# Altium PCB Module Board - OLD.PcbDoc (part 3 of 4)
Units mm, origin at the board's own origin, x right, y up, seen from the top; angles counter-clockwise.
Board outline 88 x 88 mm, 4 copper layers (Top Layer, GND1-Layer, GND2-Layer, Bottom Layer), stack 1.57 mm thick; 408 components, 212 nets, 1020 pads, 603 vias.
Unrouted connection lines stored in the file: 3.
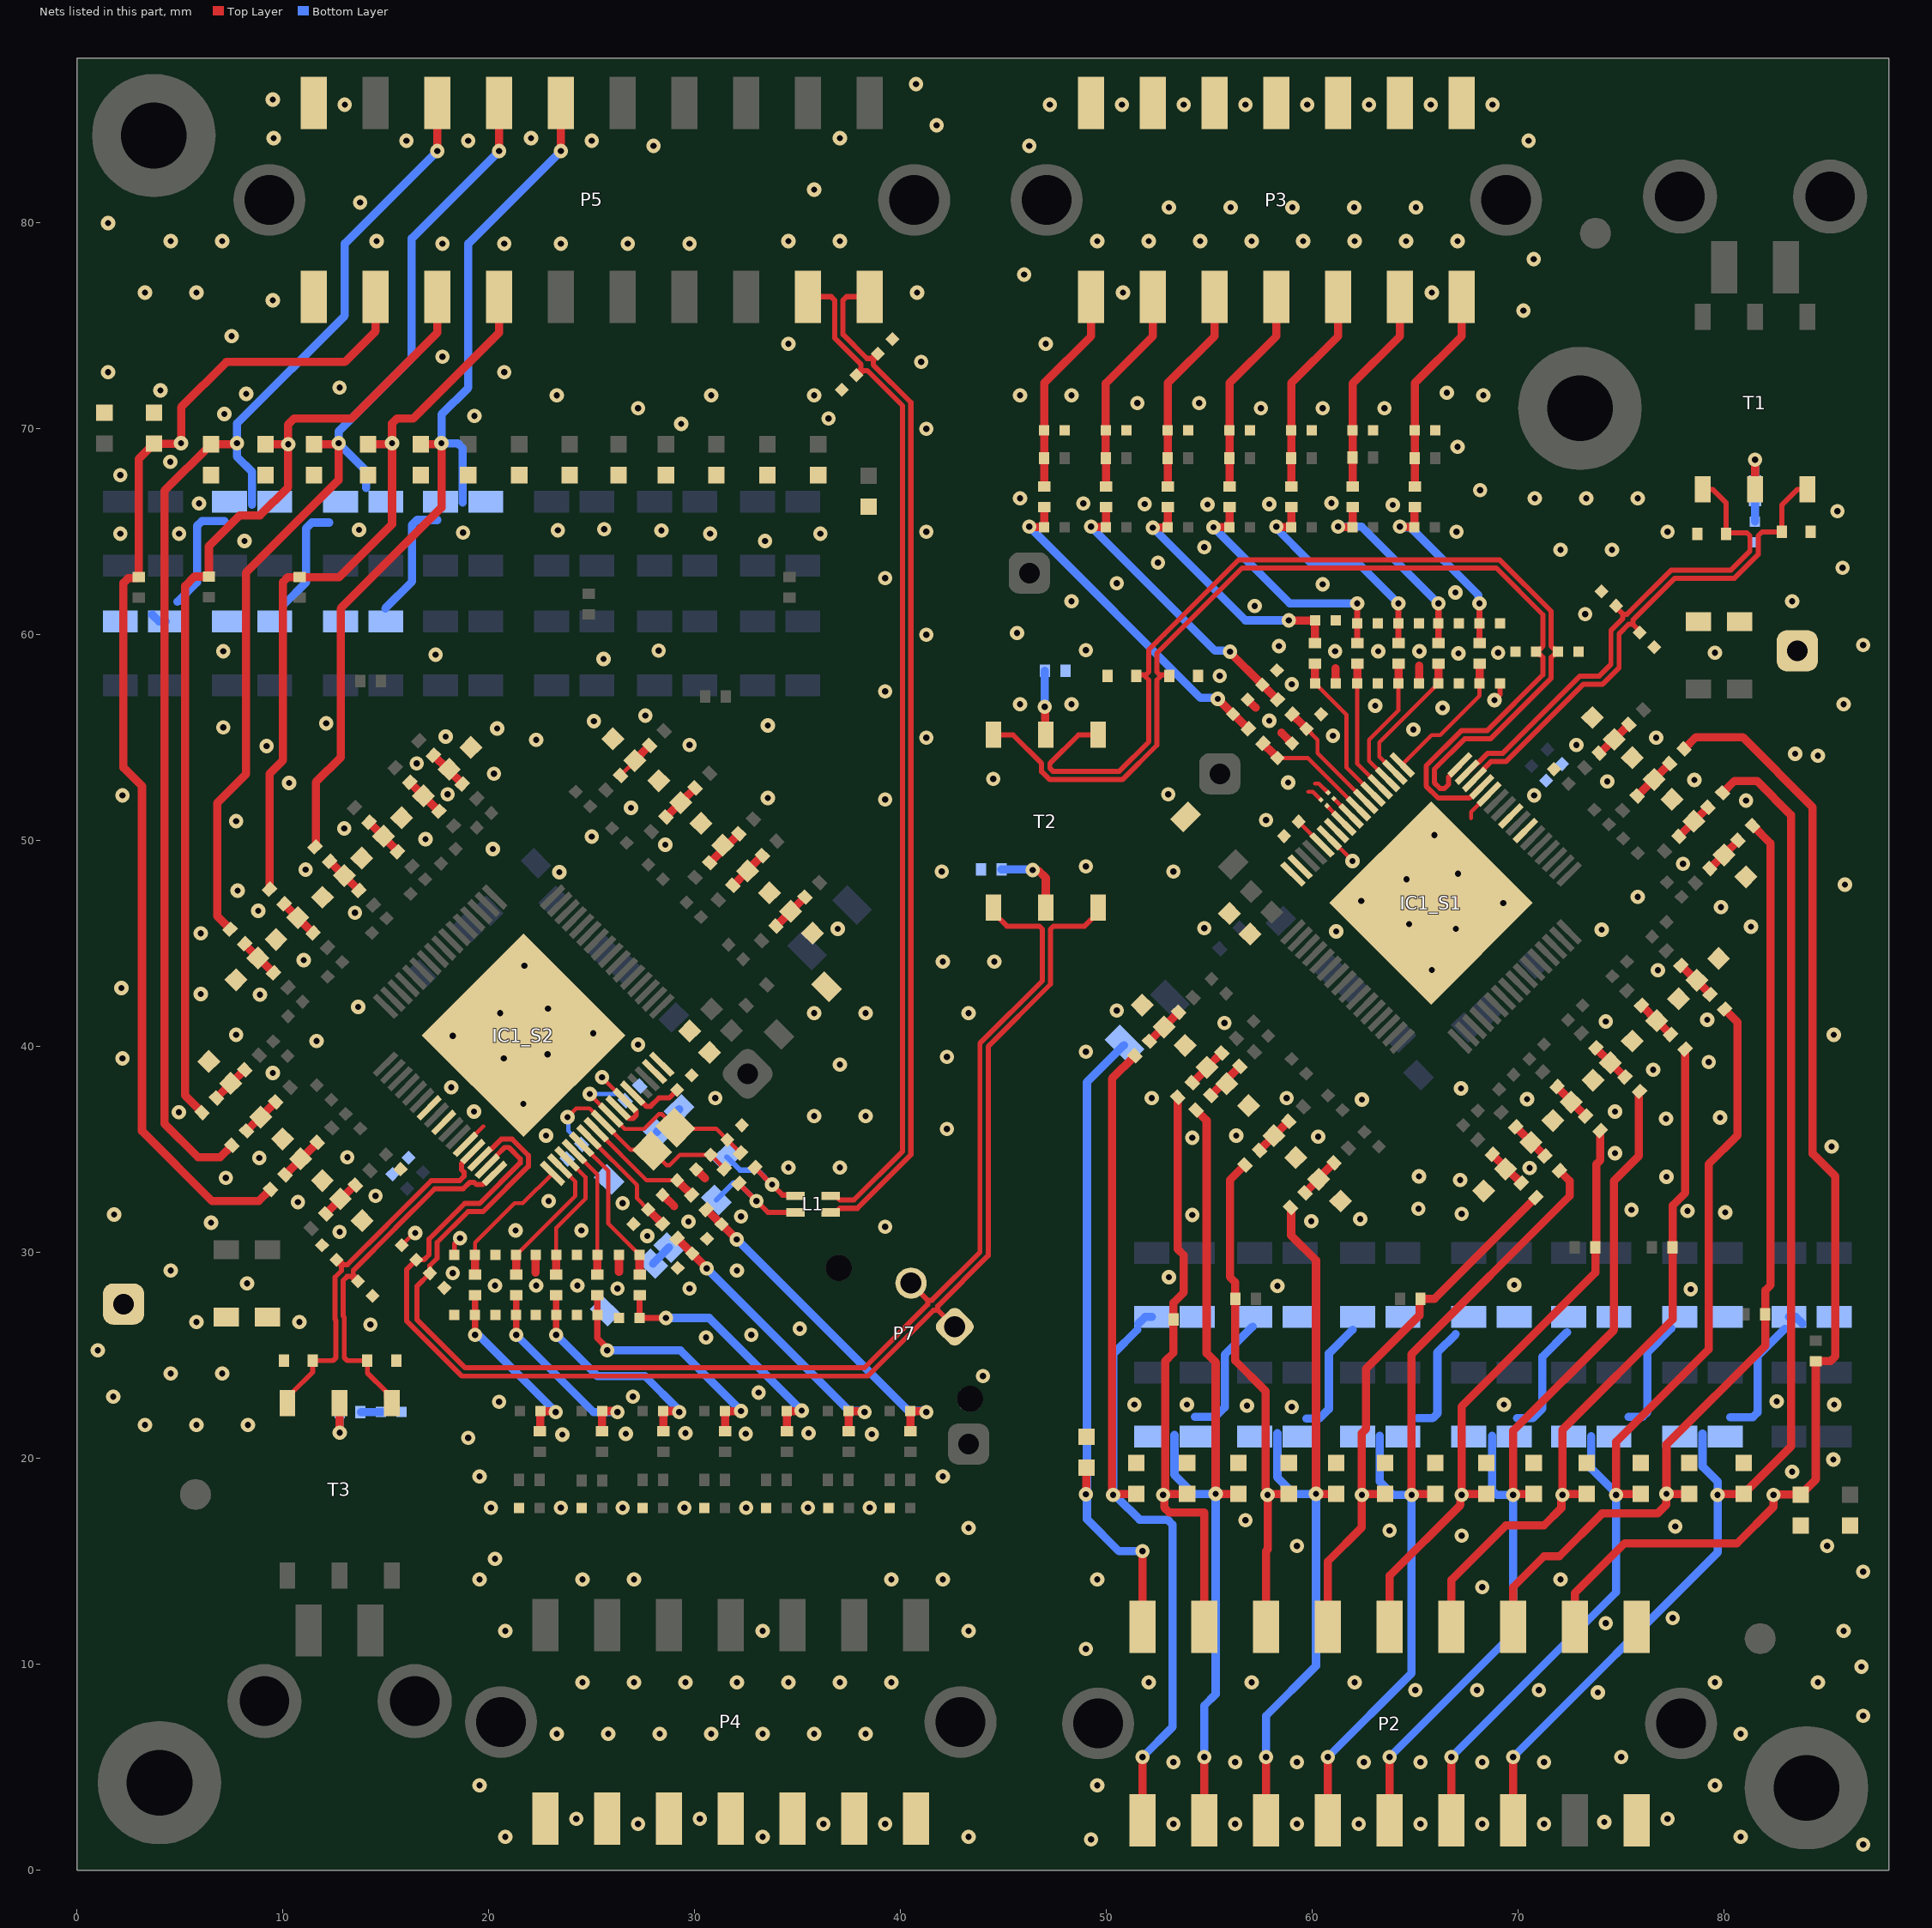
[diagram p5: the nets of this part, all layers, seen from the top]

## Via types
v1: diameter 0.7, hole 0.3, Top Layer to Bottom Layer, 603 vias

## Nets (pads, with @x,y where several pads share a name; then routed paths per layer and width w, separated by ;. In a path a pad name is that pad's centre, name@x,y a point inside that pad or via, vN(x,y) a via of type N, cw(c..) or ccw(c..) an arc to the next point about the centre after c; other vN are vias at no path point) (continued)
GND_S1: C2_S1.1 C3_S1.1 C5_S1.1 C6_S1.1 C7_S1.1 C8_S1.1 C9_S1.1 C12_S1.1 C13_S1.1 C14_S1.1 C15_S1.1 C17_S1.1 C18_S1.1 C19_S1.1 C20_S1.1 C21_S1.1 C22_S1.1 C23_S1.1 C24_S1.1 C27_S1.1 C28_S1.1 C30_S1.1 C31_S1.1 C32_S1.1 C33_S1.1 C34_S1.1 C37_S1.1 C38_S1.1 C40_S1.1 C41_S1.1 C42_S1.1 C43_S1.1 C44_S1.1 C47_S1.1 C48_S1.1 C50_S1.1 C51_S1.1 C52_S1.1 C53_S1.1 C54_S1.1 C57_S1.1 C58_S1.1 C60_S1.1 C61_S1.1 C62_S1.1 C63_S1.1 C64_S1.1 C67_S1.1 C68_S1.1 C70_S1.1 C71_S1.1 C72_S1.1 C73_S1.1 C74_S1.1 C76_S1.1 C77_S1.1 C78_S1.1 C80.1 C81.1 C82.1 C83.2 C84.1 C95_S1.1 D2_S1.2 D7_S1.1 D8_S1.2 D9.1 D10.1 D17.1 D18.2 IC1_S1.39 IC1_S1.41 IC1_S1.44 IC1_S1.58 IC1_S1.59 IC1_S1.63 IC1_S1.64 IC1_S1.65 NT1.2 NT2.2 P2.1 P2.10 P3.1 P3.2 P3.3 P3.4 P3.5 P3.6 P3.7 R75.2 TP1_S1.1 | length 8.5
  Top Layer w0.2: 59.8,52.375 60.025,52.375 NT2.2@60.417,51.983 ; 60.125,52.775 60.313,52.775 NT1.2@60.76,52.328 ; IC1_S1.59@60.821,50.146 v1(61.95,49.017) ; 67.705,51.1 67.705,51.39 IC1_S1.44@68.582,52.267
  Top Layer w0.247: v1(68.85,56.825) 69.121,57.096 C7_S1.1@69.121,57.646
  Top Layer w0.4: C71_S1.1@56.854,56.853 57.25,56.457 ; 58.5,55.25 58.5,55.236 C72_S1.1@59.011,54.725 ; C52_S1.1@61.129,57.648 61.129,58.379 ; C32_S1.1@65.181,57.646 65.181,58.5
  other v1: 86.75,1.25 49.25,1.5 80.8,1.625 53.25,2.25 56.25,2.25 59.25,2.25 62.25,2.25 65.25,2.25 68.25,2.25 71.25,2.25 74.184,2.34 77.25,2.5 49.55,4.125 79.55,4.125 53.25,5.25 56.25,5.25 59.25,5.25 62.5,5.25 65.25,5.25 68.25,5.25 71.25,5.25 75,5.5 80.8,6.625 86.75,7.5 73.87,8.63 65,8.75 68,8.75 71,8.75 52.05,9.125 57.05,9.125 62.05,9.125 79.55,9.125 84.55,9.125 86.672,9.887 49,10.75 85.8,11.625 74.25,12 77.5,12.25 68.25,13.75 49.55,14.125 72.05,14.125 86.75,14.5 59.25,15.75 85,15.75 67.25,16.25 63.75,16.5 77.625,16.7 56.75,17 83.3,19.35 85.3,19.95 59,22.5 56.824,22.566 51.35,22.614 53.9,22.614 69.3,22.614 85.35,22.614 82.55,22.775 78.375,28.225 58.3,28.377 69.8,28.425 53.025,28.8 59.95,31.525 62.325,31.625 54.162,31.825 67.25,31.875 80.051,31.95 78.225,32.025 75.5,32.075 65.15,32.125 67.175,33.525 77.2,33.675 65.175,33.7 70.55,34.106 74.7,34.825 85.225,35.15 54.162,35.575 60.275,35.625 56.3,35.675 77.175,36.5 79.8,36.55 74.7,36.85 62.4,37.425 70.425,37.45 52.2,37.5 58.75,37.5 67.225,37.975 76.55,38.875 79.25,39.25 49,39.75 85.325,40.575 55.725,41.15 74.25,41.225 79.182,41.307 50.5,41.75 65.8,43.725 76.782,43.707 61.15,45.6 74.05,45.675 66.975,45.725 54.75,45.75 81.3,45.825 64.7,45.95 79.85,46.775 69.275,46.975 62.375,47.075 75.8,47.275 85.87,47.87 64.575,48.125 67.075,48.4 53.25,48.5 78,48.875 65.925,50.275 57.75,51 81.063,51.95 70.775,52.2 53,52.25 58.825,52.825 74.325,52.875 78.55,52.95 44.5,53 84.55,54.125 83.45,54.225 72.825,54.65 76.7,55 61,55.1 64.9,55.4 57.9,55.825 66.325,56.45 63.05,56.55 45.8,56.625 48.3,56.625 85.8,56.625 59,57.6 55.5,58 67.1,59.1 69.025,59.125 79.55,59.125 61.1,59.2 63.2,59.2 65.2,59.2 49,59.25 58.375,59.45 86.75,59.5 45.654,60.086 73.25,61 57.2,61.4 48.3,61.625 83.3,61.625 66.95,62.05 60.5,62.45 50.5,62.5 85.75,63.25 52.5,63.5 72.05,64.125 74.55,64.125 54.75,64.25 67,65 77.25,65 85.5,66 63.9,66.3 54.9,66.325 51.85,66.35 57.9,66.35 48.875,66.375 60.925,66.4 45.8,66.625 70.8,66.625 73.3,66.625 75.8,66.625 68.15,67.025 67.05,69.125 57.5,71 60.5,71 63.5,71 51.5,71.25 54.5,71.25 45.8,71.625 48.3,71.625 68.3,71.625 66.526,71.751 47.05,74.125 70.25,75.75 50.8,76.625 65.8,76.625 46,77.5 70.75,78.25 49.55,79.125 52.05,79.125 54.55,79.125 57.05,79.125 59.55,79.125 62.05,79.125 64.55,79.125 67.05,79.125 53.026,80.751 56.026,80.751 59.026,80.751 62.026,80.751 65.026,80.751 46.25,83.75 70.5,84 47.25,85.75 50.75,85.75 53.75,85.75 56.75,85.75 59.75,85.75 62.75,85.75 65.75,85.75 68.75,85.75
GND_S2: C2_S2.1 C3_S2.1 C5_S2.1 C6_S2.1 C7_S2.1 C8_S2.1 C9_S2.1 C12_S2.1 C13_S2.1 C14_S2.1 C15_S2.1 C17_S2.1 C18_S2.1 C19_S2.1 C20_S2.1 C21_S2.1 C22_S2.1 C23_S2.1 C24_S2.1 C27_S2.1 C28_S2.1 C30_S2.1 C31_S2.1 C32_S2.1 C33_S2.1 C34_S2.1 C37_S2.1 C38_S2.1 C40_S2.1 C41_S2.1 C42_S2.1 C43_S2.1 C44_S2.1 C47_S2.1 C48_S2.1 C50_S2.1 C51_S2.1 C52_S2.1 C53_S2.1 C54_S2.1 C57_S2.1 C58_S2.1 C60_S2.1 C61_S2.1 C62_S2.1 C63_S2.1 C64_S2.1 C67_S2.1 C68_S2.1 C70_S2.1 C71_S2.1 C72_S2.1 C73_S2.1 C74_S2.1 C76_S2.1 C77_S2.1 C78_S2.1 C85.1 C86.1 C87.1 C88.1 C90.1 C91.1 C92.1 C93.1 C94.1 C95_S2.1 D2_S2.2 D7_S2.1 D8_S2.2 D12.1 D14.1 D15.1 D16.1 IC1_S2.39 IC1_S2.41 IC1_S2.44 IC1_S2.58 IC1_S2.59 IC1_S2.63 IC1_S2.64 IC1_S2.65 P4.1 P4.2 P4.3 P4.4 P4.5 P4.6 P4.7 P5.1 P5.11 R77.1 R94.1 R95.1 TP1_S2.1 | length 9.8
  Top Layer w0.2: C85.1@15.772,30.354 16.368,30.95 v1(16.425,30.95) ; IC1_S2.44@18.868,35.258 19.735,36.125 ; v1(25.5,38.508) IC1_S2.59@26.629,37.379
  Top Layer w0.247: C7_S2.1@18.329,29.879 18.329,30.429 v1(18.6,30.7)
  Top Layer w0.25: IC1_S2.58@26.275,37.026 26.797,36.504 27.004,36.504 27.151,36.651 27.151,36.858 IC1_S2.59@26.629,37.379
  Top Layer w0.4: 22.269,29.019 C32_S2.1@22.269,29.879 ; 26.321,29.071 C52_S2.1@26.321,29.877 ; C72_S2.1@28.439,32.8 28.616,32.623 28.627,32.623 29,32.25 ; C88.1@30.067,34.036 30.5,33.603
  other v1: 20.8,1.625 33.3,1.625 43.3,1.625 27.25,2.25 36.25,2.25 39.25,2.25 24.25,2.5 30.25,2.5 19.55,4.125 23.3,6.625 25.8,6.625 28.3,6.625 30.8,6.625 33.3,6.625 35.8,6.625 38.3,6.625 24.55,9.125 27.05,9.125 29.55,9.125 32.05,9.125 34.55,9.125 37.05,9.125 39.55,9.125 20.8,11.625 33.3,11.625 43.3,11.625 19.55,14.125 24.55,14.125 27.05,14.125 39.55,14.125 42.05,14.125 20.3,15.125 43.3,16.625 20.1,17.6 23.5,17.6 26.5,17.6 29.5,17.6 32.5,17.6 35.5,17.6 38.5,17.6 19.55,19.125 42.05,19.125 19,21 23.575,21.15 26.65,21.2 32.475,21.2 38.6,21.175 29.55,21.225 35.525,21.225 3.3,21.625 5.8,21.625 8.3,21.625 20.5,22.75 1.75,23 27,23 33.1,23.2 44,24 4.55,24.125 7.05,24.125 1,25.25 30.55,25.875 32.75,26 35.1,26.3 14.25,26.5 5.8,26.625 10.8,26.625 26.25,28.25 29.75,28.25 20.3,28.4 22.3,28.4 24.3,28.4 8.25,28.5 18.25,29 4.55,29.125 32.05,29.125 27.7,30.8 12.75,31 21.3,31.075 24.5,31.075 39.25,31.25 6.5,31.45 29.7,31.5 32.25,31.75 1.8,31.85 26.5,32.4 10.725,32.45 22.9,32.5 14.5,32.75 7.225,33.625 34.55,34.125 37.05,34.125 8.85,34.6 13.125,34.625 22.775,35.675 42.25,36 35.8,36.625 38.3,36.625 4.943,36.818 19.275,36.85 21.675,37.225 31,37.5 18.175,38.025 9.5,38.725 37.05,39.125 2.2,39.425 20.725,39.425 42.25,39.5 22.85,39.625 27.25,40.1 11.625,40.275 18.25,40.525 7.725,40.575 25.075,40.65 20.55,41.625 35.8,41.625 38.3,41.625 43.3,41.625 22.875,41.85 13.65,41.925 8.875,42.525 6,42.55 2.15,42.85 21.725,43.925 42.05,44.125 44.55,44.125 11,44.2 6,45.5 36.95,45.725 13.5,46.5 8.8,46.6 7.8,47.575 23.425,48.475 42,48.5 11.098,48.598 49,48.75 20.2,49.6 28.575,49.8 16.925,50.075 25,50.2 12.975,50.6 7.725,50.95 26.9,51.6 39.25,52 33.55,52.075 2.2,52.2 18,52.25 10.3,52.8 20.25,53.25 16.5,53.75 9.2,54.6 29.75,54.65 22.3,54.9 41.25,55 17.9,55.05 20.4,55.45 7.1,55.5 33.55,55.6 12.1,55.7 25.1,55.8 27.6,56.075 39.25,57.25 25.575,58.825 17.41,59.04 7.1,59.2 28.247,59.229 41.25,60 39.25,62.75 8.125,64.55 33.41,64.551 2.1,64.911 4.95,64.911 30.75,64.911 36.1,64.911 18.75,64.959 41.25,65 23.35,65.075 28.377,65.066 13.7,65.1 25.6,65.125 5.925,66.375 2.1,67.75 4.525,68.4 41.25,70 29.343,70.243 36.5,70.5 19.3,70.625 7.15,70.725 27.25,71 23.3,71.625 30.8,71.625 35.8,71.625 8.218,71.707 4.052,71.873 12.75,72 1.5,72.75 20.75,72.75 41,73.25 17.75,73.5 34.55,74.125 7.5,74.5 9.5,76.25 3.3,76.625 5.8,76.625 40.8,76.625 17.75,79 20.75,79 23.5,79 26.75,79 29.75,79 4.55,79.125 7.05,79.125 14.55,79.125 34.55,79.125 37.05,79.125 1.5,80 13.75,81 35.8,81.625 28,83.75 16,84 19,84 25,84 9.55,84.125 22.05,84.125 37.05,84.125 41.75,84.75 13,85.75 9.5,86 40.75,86.75
GPIO0_S1: C7_S1.2 IC1_S1.49 R6_S1.1 | length 7.4
  Top Layer w0.2: IC1_S1.49@64.356,53.681 65.8,55.125 66.201,55.125 68.121,57.045 C7_S1.2@68.121,57.646 68.121,57.896 R6_S1.1@68.121,58.605
  Top Layer w0.4: 68.121,57.896 R6_S1.1@68.121,58.605
GPIO0_S2: C7_S2.2 IC1_S2.49 R6_S2.1 | length 7.4
  Top Layer w0.2: R6_S2.1@19.329,28.92 19.329,29.629 C7_S2.2@19.329,29.879 19.329,30.48 21.249,32.4 21.65,32.4 IC1_S2.49@23.093,33.844
  Top Layer w0.4: R6_S2.1@19.329,28.92 C7_S2.2@19.329,29.629
GPIO1_S1: C19_S1.2 IC1_S1.50 R17_S1.1 | length 6.8
  Top Layer w0.2: IC1_S1.50@64.003,53.328 63.25,54.081 63.25,54.775 C19_S1.2@66.121,57.646
  Top Layer w0.4: C19_S1.2@66.121,57.646 R17_S1.1@66.121,58.605
GPIO1_S2: C19_S2.2 IC1_S2.50 R17_S2.1 | length 6.8
  Top Layer w0.2: C19_S2.2@21.329,29.879 24.2,32.75 24.2,33.444 IC1_S2.50@23.447,34.197
  Top Layer w0.4: R17_S2.1@21.329,28.92 C19_S2.2@21.329,29.879
GPIO2_S1: C32_S1.2 IC1_S1.51 R28_S1.1 | length 6.6
  Top Layer w0.2: IC1_S1.51@63.649,52.974 62.75,53.873 62.75,54.9 64.181,56.331 C32_S1.2@64.181,57.646
  Top Layer w0.4: C32_S1.2@64.181,57.646 R28_S1.1@64.181,58.605
GPIO2_S2: C32_S2.2 IC1_S2.51 R28_S2.1 | length 6.6
  Top Layer w0.2: C32_S2.2@23.269,29.879 23.269,31.194 24.7,32.625 24.7,33.652 IC1_S2.51@23.801,34.551
  Top Layer w0.4: R28_S2.1@23.269,28.92 C32_S2.2@23.269,29.879
GPIO3_S1: C42_S1.2 IC1_S1.52 R38_S1.1 | length 6.4
  Top Layer w0.2: C42_S1.2@62.181,57.646 62.181,53.736 IC1_S1.52@63.296,52.621
  Top Layer w0.4: C42_S1.2@62.181,57.646 R38_S1.1@62.181,58.605
GPIO3_S2: C42_S2.2 IC1_S2.52 R38_S2.1 | length 6.4
  Top Layer w0.2: IC1_S2.52@24.154,34.904 25.269,33.789 C42_S2.2@25.269,29.879
  Top Layer w0.4: R38_S2.1@25.269,28.92 C42_S2.2@25.269,29.879
GPIO4_S1: C52_S1.2 IC1_S1.53 R50_S1.1 | length 7.5
  Top Layer w0.2: C52_S1.2@60.129,57.648 61.65,56.127 61.65,53.559 IC1_S1.53@62.942,52.267
  Top Layer w0.4: C52_S1.2@60.129,57.648 R50_S1.1@60.129,58.601
GPIO4_S2: C52_S2.2 IC1_S2.53 R50_S2.1 | length 7.5
  Top Layer w0.2: IC1_S2.53@24.508,35.258 25.8,33.966 25.8,31.398 C52_S2.2@27.321,29.877
  Top Layer w0.4: R50_S2.1@27.321,28.924 C52_S2.2@27.321,29.877
GPIO5_S1: C62_S1.2 IC1_S1.54 R60_S1.1 | length 5.7
  Top Layer w0.2: C62_S1.2@59.718,55.432 60.25,54.9 60.25,54.252 IC1_S1.54@62.589,51.913
  Top Layer w0.4: R60_S1.1@59.011,56.139 59.542,55.609 C62_S1.2@59.718,55.432
GPIO5_S2: C62_S2.2 IC1_S2.54 R60_S2.1 | length 5.7
  Top Layer w0.2: IC1_S2.54@24.861,35.612 27.2,33.273 27.2,32.625 C62_S2.2@27.732,32.093
  Top Layer w0.4: C62_S2.2@27.732,32.093 27.908,31.916 R60_S2.1@28.439,31.386
GPIO6_S1: C72_S1.2 IC1_S1.55 R68_S1.1 | length 5.9
  Top Layer w0.2: C72_S1.2@58.304,54.018 59.777,54.018 IC1_S1.55@62.235,51.56
  Top Layer w0.4: R68_S1.1@57.597,54.725 58.127,54.195 C72_S1.2@58.304,54.018
GPIO6_S2: C72_S2.2 IC1_S2.55 R68_S2.1 | length 5.9
  Top Layer w0.2: IC1_S2.55@25.215,35.965 27.673,33.507 C72_S2.2@29.146,33.507
  Top Layer w0.4: C72_S2.2@29.146,33.507 29.323,33.331 ; 29.323,33.33 R68_S2.1@29.853,32.8
ISENSE_F_N: D13.1 L1.4 R78.1 | length 5.3
  Top Layer w0.254: R78.1@32.925,34.131 v1@33.756,33.3 ; v1(33.756,33.3) 34.263,32.794 34.856,32.794 L1.4@34.9,32.75
  Bottom Layer w0.254: D13.1@31.556,34.644 32.2,34 33.056,34 v1(33.756,33.3)
ISENSE_F_P: D11.1 L1.2 R76.1 | length 6
  Top Layer w0.254: R76.1@32.147,33.353 v1(33,32.5) 33.55,31.95 L1.2@34.9,31.95
  Bottom Layer w0.254: D11.1@31.056,32.556 31.894,33.394 32.106,33.394 v1(33,32.5)
ISENSE_N: C90.2 L1.3 P5.19 | length 49.4
  Top Layer w0.254: P5.19@35.5,76.42 36.628,76.42 36.798,76.25 36.798,74.416 38.078,73.137 38.078,72.926 37.854,72.702 C90.2@37.854,72.604 37.952,72.604 38.176,72.828 38.387,72.828 40.096,71.118 40.096,34.917 37.731,32.552 37.048,32.552 36.85,32.75 L1.3@36.6,32.75
ISENSE_P: C87.2 L1.1 P5.20 | length 50.1
  Top Layer w0.247: L1.1@36.6,31.95 L1.1@36.604,31.954
  Top Layer w0.254: L1.1@36.6,31.95 36.85,31.95 37.048,32.148 37.898,32.148 40.5,34.75 40.5,71.286 38.673,73.113 38.673,73.324 38.896,73.548 C87.2@38.896,73.646 38.798,73.646 38.574,73.422 38.363,73.422 37.202,74.584 37.202,76.25 37.372,76.42 P5.20@38.5,76.42
NetC1_S1_1: C1_S1.1 C6_S1.2 R5_S1.1 R6_S1.2 | length 9.2
  Top Layer w0.3: R6_S1.2@68.121,59.605 C6_S1.2@68.121,60.55 v1(68.121,61.525)
  Top Layer w0.4: v1(64.25,65.25) 64.275,65.225 C1_S1.1@64.95,65.225 R5_S1.1@64.95,66.175
  Bottom Layer w0.3: v1@68.064,61.582 v1(68.121,61.525)
  Bottom Layer w0.4: v1(64.25,65.25) 64.277,65.223 64.767,65.223 68.064,61.926 v1@68.064,61.582
NetC1_S2_1: C1_S2.1 C6_S2.2 R5_S2.1 R6_S2.2 | length 9.1
  Top Layer w0.3: v1(19.329,26) C6_S2.2@19.329,26.975 R6_S2.2@19.329,27.92
  Top Layer w0.4: R5_S2.1@22.5,21.35 C1_S2.1@22.5,22.3 23.2,22.3 v1(23.25,22.25)
  Bottom Layer w0.4: v1(19.329,26) 19.386,25.943 19.557,25.943 v1(23.25,22.25)
NetC3_S1_2: C3_S1.2 R2_S1.1 R3_S1.2 | length 2
  Top Layer w0.4: R2_S1.1@52.09,40.262 52.267,40.439 C3_S1.2@52.797,40.969 ; C3_S1.2@52.793,40.966 52.798,40.966 53.504,41.672 R3_S1.2@53.504,41.677
NetC3_S2_2: C3_S2.2 R2_S2.1 R3_S2.2 | length 2
  Top Layer w0.4: R3_S2.2@33.946,45.848 33.946,45.853 34.652,46.559 C3_S2.2@34.657,46.559 ; C3_S2.2@34.653,46.556 35.183,47.086 R2_S2.1@35.36,47.263
NetC9_S1_2: C9_S1.2 R8_S1.1 R9_S1.2 | length 2
  Top Layer w0.4: R8_S1.1@54.17,38.247 54.17,38.249 54.878,38.958 C9_S1.2@54.88,38.958 ; C9_S1.2@54.895,38.995 54.895,39.002 55.589,39.696 R9_S1.2@55.596,39.696
NetC9_S2_2: C9_S2.2 R8_S2.1 R9_S2.2 | length 2
  Top Layer w0.4: R9_S2.2@31.854,47.829 31.861,47.829 32.555,48.523 C9_S2.2@32.555,48.53 ; C9_S2.2@32.57,48.567 32.572,48.567 R8_S2.1@33.28,49.278 R8_S2.1@33.28,49.278
NetC11_S1_1: C11_S1.1 C18_S1.2 R16_S1.1 R17_S1.2 | length 10
  Top Layer w0.3: R17_S1.2@66.121,59.605 66.121,60.096 ; C18_S1.2@66.121,60.55 v1(66.121,61.525) ; 66.121,60.096 C18_S1.2@66.121,60.546
  Top Layer w0.4: v1(61.25,65.25) 61.275,65.225 C11_S1.1@61.95,65.225 ; C11_S1.1@61.95,65.25 61.95,65.95 R16_S1.1@61.95,66.2
  Bottom Layer w0.4: v1(61.25,65.25) 62.396,65.25 v1(66.121,61.525)
NetC11_S2_1: C11_S2.1 C18_S2.2 R16_S2.1 R17_S2.2 | length 10.1
  Top Layer w0.3: v1(21.329,26) C18_S2.2@21.329,26.975 ; C18_S2.2@21.329,26.979 21.329,27.429 R17_S2.2@21.329,27.92
  Top Layer w0.4: R16_S2.1@25.5,21.325 25.5,21.575 C11_S2.1@25.5,22.275 ; C11_S2.1@25.5,22.3 26.2,22.3 v1(26.25,22.25)
  Bottom Layer w0.4: v1(21.329,26) 25.079,22.25 v1(26.25,22.25)
NetC15_S1_2: C15_S1.2 R13_S1.1 R14_S1.2 | length 2
  Top Layer w0.4: R13_S1.1@55.061,37.626 55.238,37.803 55.768,38.333 55.945,38.51 R14_S1.2@56.475,39.04
NetC15_S2_2: C15_S2.2 R13_S2.1 R14_S2.2 | length 2
  Top Layer w0.4: R14_S2.2@30.729,48.929 31.259,49.459 31.436,49.636 31.966,50.166 R13_S2.1@32.143,50.343
NetC23_S1_2: C23_S1.2 R19_S1.1 R20_S1.2 | length 2
  Top Layer w0.4: R19_S1.1@57.432,34.957 57.432,34.965 58.126,35.658 C23_S1.2@58.133,35.658 ; C23_S1.2@58.133,35.673 58.141,35.673 58.831,36.364 R20_S1.2@58.831,36.371
NetC23_S2_2: C23_S2.2 R19_S2.1 R20_S2.2 | length 2
  Top Layer w0.4: R20_S2.2@28.604,51.154 28.611,51.154 29.302,51.844 C23_S2.2@29.302,51.852 ; C23_S2.2@29.317,51.867 29.324,51.867 30.018,52.56 R19_S2.1@30.018,52.568
NetC24_S1_2: C24_S1.2 IC1_S1.60 | length 1.6
  Top Layer w0.2: C24_S1.2@59.352,50.907 IC1_S1.60@60.467,49.792
NetC24_S2_2: C24_S2.2 IC1_S2.60 | length 2.9
  Top Layer w0.25: IC1_S2.60@26.983,37.733 27.018,37.733 27.647,37.104 27.854,37.104 28.264,37.514 28.764,37.514 28.97,37.72 ; 28.97,37.72 C24_S2.2@29.146,37.896 C24_S2.2@29.008,37.896
NetC26_S1_1: C26_S1.1 C31_S1.2 R27_S1.1 R28_S1.2 | length 11.1
  Top Layer w0.3: R28_S1.2@64.181,59.605 64.181,60.055 C31_S1.2@64.181,60.546 ; C31_S1.2@64.181,60.55 v1(64.181,61.525)
  Top Layer w0.4: v1(58.25,65.25) 58.275,65.225 C26_S1.1@58.975,65.225 ; C26_S1.1@58.975,65.25 R27_S1.1@58.975,66.2
  Bottom Layer w0.4: v1(58.25,65.25) 58.25,65.169 59.894,63.525 62.181,63.525 v1(64.181,61.525)
NetC26_S2_1: C26_S2.1 C31_S2.2 R27_S2.1 R28_S2.2 | length 11.2